# Altium PCB MiniPC.PcbDoc (part 13 of 23) (continued)
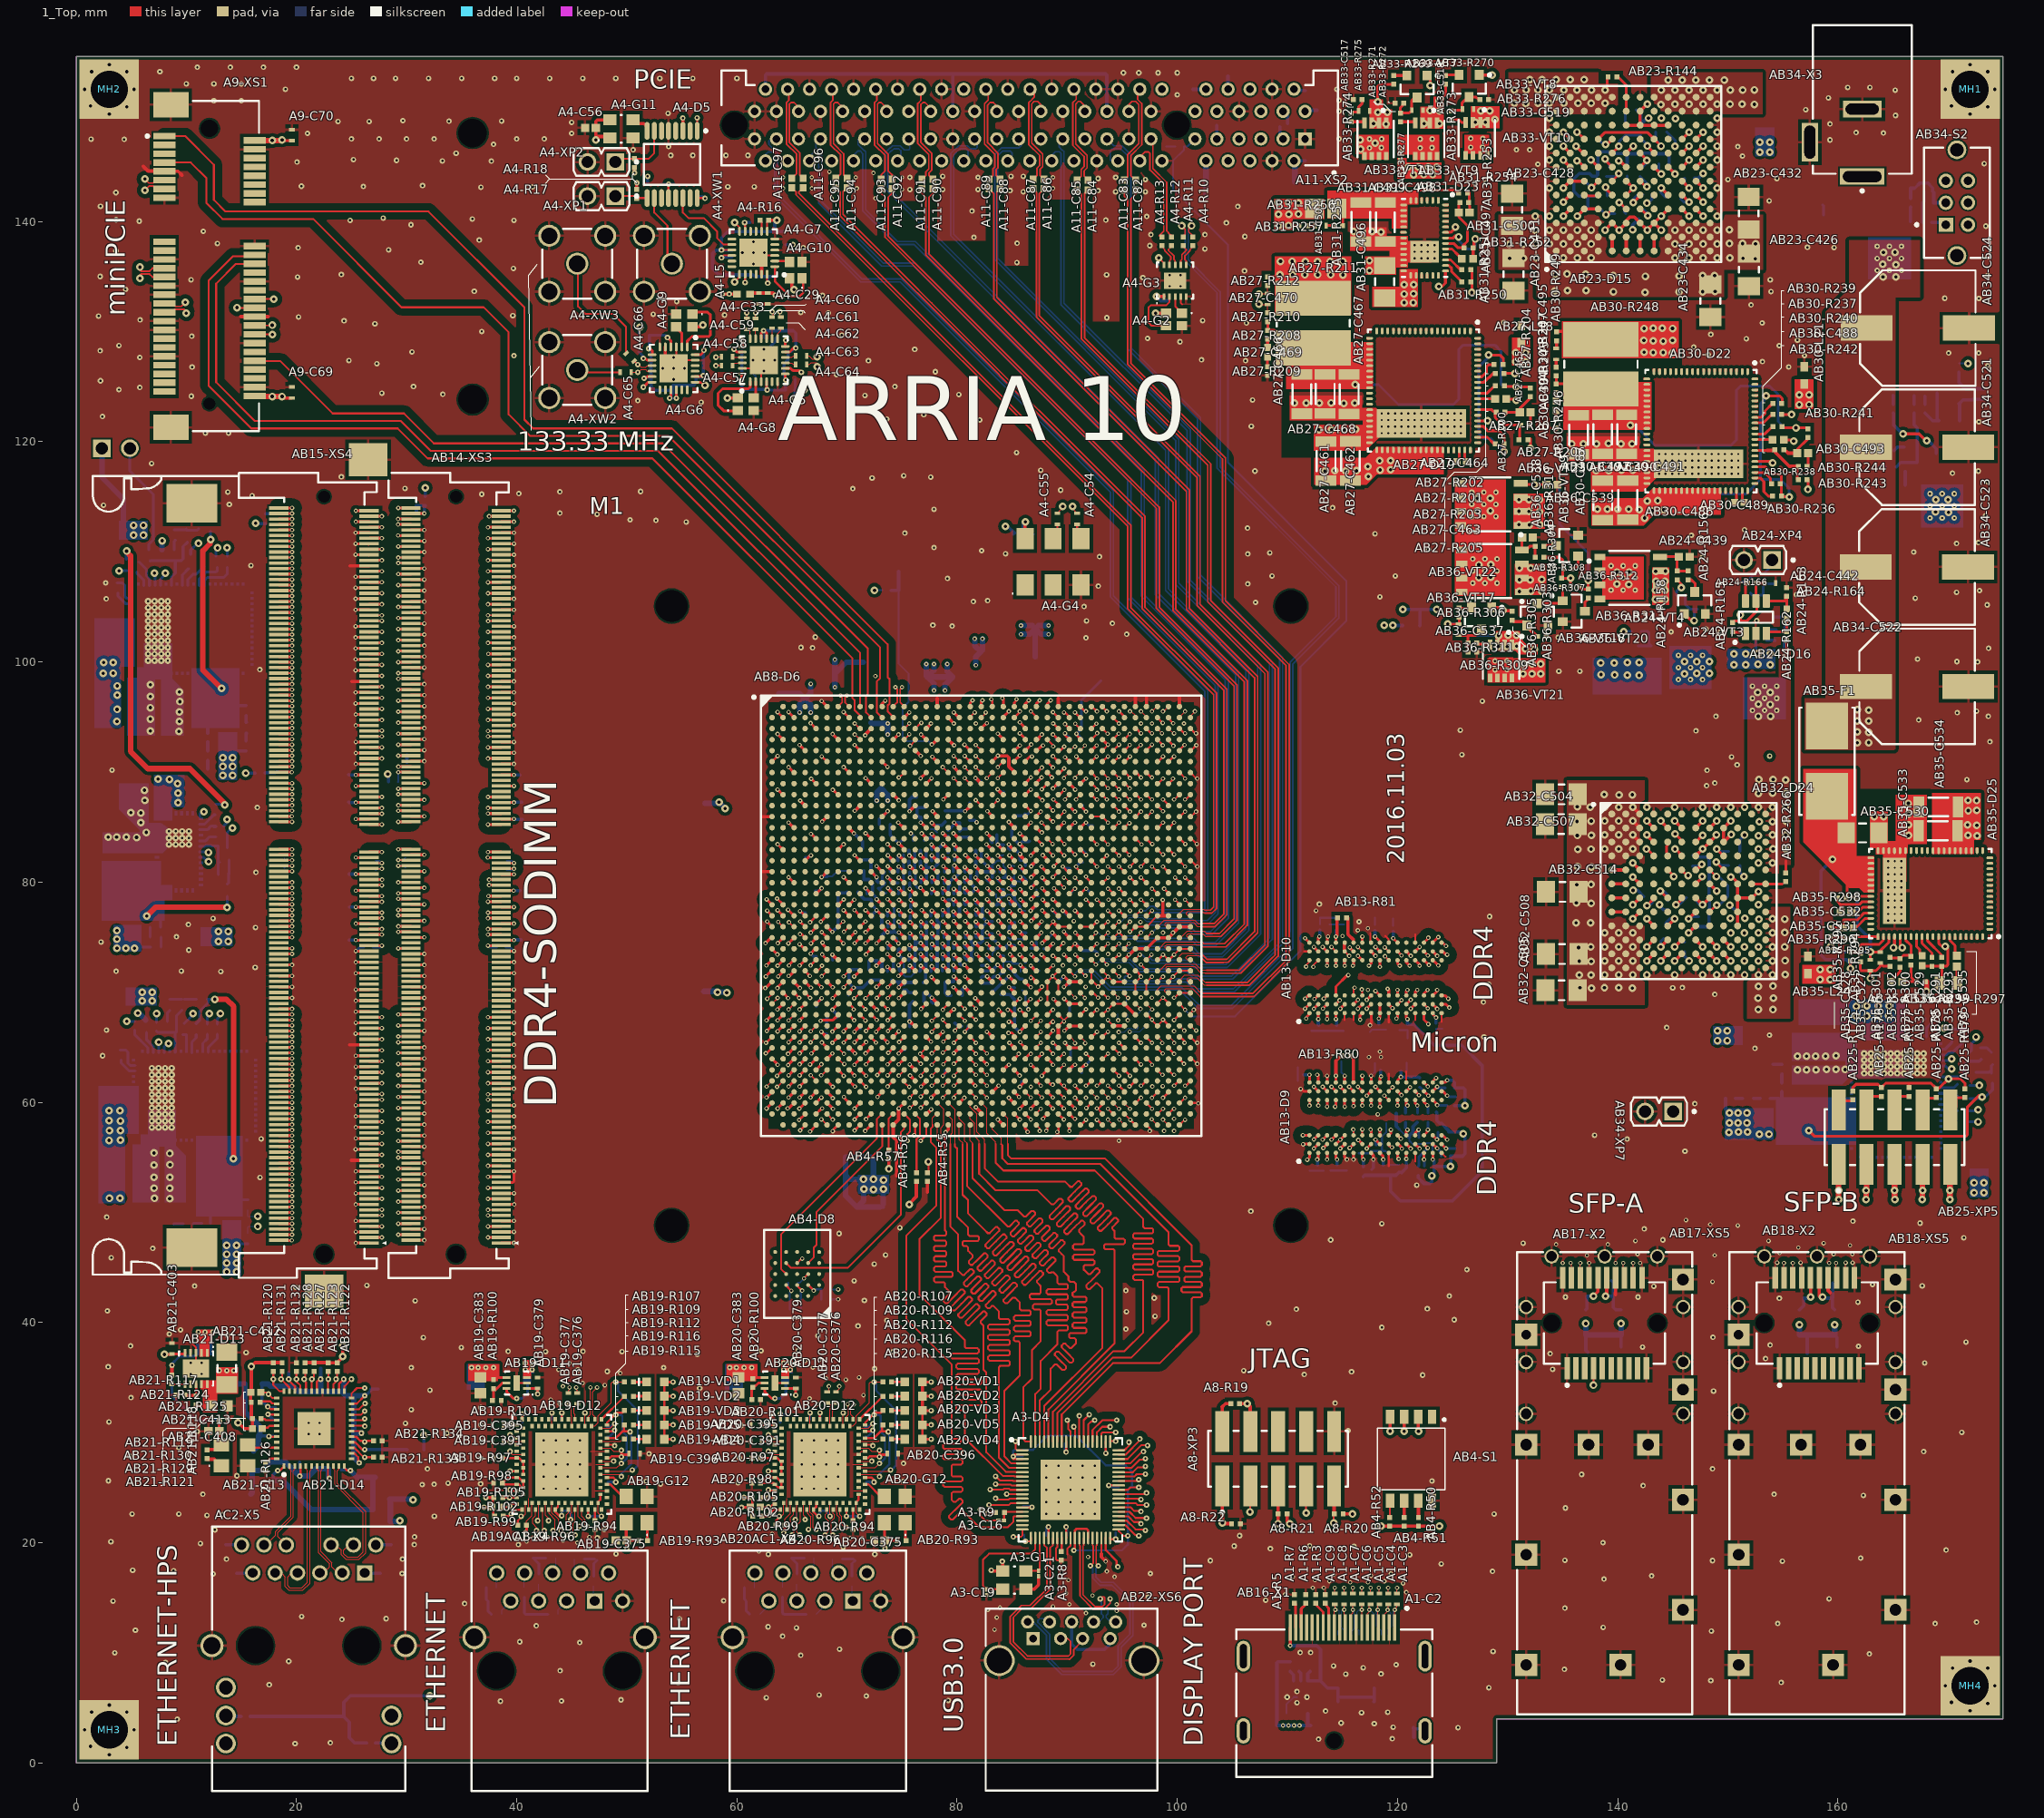
[diagram p0: 1_Top view]
## Nets (pads, with @x,y where several pads share a name; then routed paths per layer and width w, separated by ;. In a path a pad name is that pad's centre, name@x,y a point inside that pad or via, vN(x,y) a via of type N, cw(c..) or ccw(c..) an arc to the next point about the centre after c; other vN are vias at no path point) (continued)
  16_Bottom w0.15: AB7-R60.1@27.2,81.075 27.329,81.204 v1(27.751,81.204)
DDR4_BLK2.CTRL.CK1_N: AB7-R62.2 AB8-D6.AR2 AB15-XS4.140 | length 103.1
  1_Top w0.15: AB15-XS4.140@18.4,81.975 v1(19.602,81.975) ; v1(63.65,61.4) 63.655,61.4 AB8-D6.AR2@64.194,61.939
  10_int9_(sign) w0.13: v1(19.602,81.975) 19.765,81.975 19.9,81.84 20.86,81.84 22.05,80.65 22.05,79.8 22.425,79.425 22.885,79.425 23.06,79.6 23.06,82.449 23.476,82.865 24.06,82.865 24.5,82.425 24.5,80.375 24.875,80 26.7,80 27.361,79.339 28.314,79.339 28.585,79.61 30.229,79.61 30.999,78.84 31.749,78.84 33.045,77.545 34.974,77.545 35.525,76.994 35.525,75.3 35.95,74.875 36.086,74.875 36.504,75.294 36.504,77.404 36.94,77.84 38.449,77.84 39.174,77.115 40.626,77.115 41.276,77.765 41.899,77.765 42.258,77.407 42.258,76.983 41.439,76.164 41.439,75.65 42.39,74.699 42.39,73.94 41.875,73.425 41.875,72.925 42.1,72.7 42.511,72.7 42.926,73.115 43.574,73.115 43.875,72.814 43.875,72.05 43.425,71.6 43.425,71.589 43.264,71.428 43.264,71.234 43.487,71.011 43.681,71.011 44.739,72.068 45.132,72.068 45.495,71.705 45.495,71.312 44.438,70.254 44.438,70.06 44.661,69.837 44.855,69.837 45.913,70.894 46.306,70.894 46.669,70.531 46.669,70.138 45.612,69.08 45.612,68.886 45.835,68.663 46.029,68.663 47.086,69.721 47.479,69.721 47.843,69.357 47.843,68.964 46.786,67.907 46.786,67.713 47.009,67.489 47.203,67.489 48.26,68.547 48.653,68.547 49.017,68.183 49.017,67.79 47.959,66.733 47.959,66.539 48.182,66.316 48.377,66.316 49.434,67.373 49.827,67.373 50.191,67.009 50.191,66.616 49.133,65.559 49.133,65.365 49.356,65.142 49.55,65.142 50.608,66.199 51.001,66.199 51.364,65.836 51.364,65.443 50.307,64.385 50.307,64.191 50.53,63.968 50.724,63.968 52.085,65.328 52.477,65.328 52.841,64.965 52.841,64.572 51.481,63.211 51.481,63.017 51.704,62.794 51.898,62.794 52.576,63.472 53.203,63.472 53.925,62.75 54.45,62.75 54.575,62.875 54.575,63.136 53.778,63.932 53.778,64.674 54.219,65.115 55.349,65.115 55.84,64.624 55.84,63.2 56.175,62.865 62.574,62.865 63.315,62.124 63.315,61.675 63.59,61.4 v1(63.65,61.4)
  16_Bottom w0.15: AB7-R62.2@18.9,82.125 19.05,81.975 v1(19.602,81.975)
DDR4_BLK2.CTRL.CK1_P: AB7-R62.1 AB8-D6.AR1 AB15-XS4.138 | length 103.2
  1_Top w0.15: AB15-XS4.138@18.4,81.475 v1(19.602,81.475) ; v1(62.7,61.425) 62.7,61.445 AB8-D6.AR1@63.194,61.939
  10_int9_(sign) w0.13: v1(19.602,81.475) 19.727,81.6 20.761,81.6 21.81,80.551 21.81,79.701 22.326,79.185 22.984,79.185 23.3,79.501 23.3,82.35 23.575,82.625 23.961,82.625 24.26,82.326 24.26,80.276 24.776,79.76 26.601,79.76 27.262,79.099 28.413,79.099 28.684,79.37 30.13,79.37 30.9,78.6 31.65,78.6 32.945,77.305 34.875,77.305 35.285,76.895 35.285,75.201 35.851,74.635 36.185,74.635 36.744,75.194 36.744,77.305 37.039,77.6 38.35,77.6 39.075,76.875 40.725,76.875 41.375,77.525 41.8,77.525 42.018,77.307 42.018,77.082 41.199,76.264 41.199,75.551 42.15,74.6 42.15,74.039 41.635,73.524 41.635,72.826 42.001,72.46 42.61,72.46 43.025,72.875 43.475,72.875 43.635,72.715 43.635,72.149 43.185,71.699 43.185,71.688 43.024,71.527 43.024,71.134 43.388,70.771 43.781,70.771 44.838,71.828 45.032,71.828 45.255,71.605 45.255,71.411 44.198,70.354 44.198,69.961 44.562,69.597 44.955,69.597 46.012,70.654 46.206,70.654 46.429,70.431 46.429,70.237 45.372,69.18 45.372,68.787 45.735,68.423 46.128,68.423 47.186,69.481 47.38,69.481 47.603,69.258 47.603,69.063 46.546,68.006 46.546,67.613 46.909,67.249 47.302,67.249 48.36,68.307 48.554,68.307 48.777,68.084 48.777,67.89 47.719,66.832 47.719,66.439 48.083,66.076 48.476,66.076 49.533,67.133 49.727,67.133 49.951,66.91 49.951,66.716 48.893,65.658 48.893,65.265 49.257,64.902 49.65,64.902 50.707,65.959 50.901,65.959 51.124,65.736 51.124,65.542 50.067,64.485 50.067,64.092 50.431,63.728 50.824,63.728 52.184,65.088 52.378,65.088 52.601,64.865 52.601,64.671 51.241,63.311 51.241,62.918 51.604,62.554 51.997,62.554 52.675,63.232 53.104,63.232 53.826,62.51 54.549,62.51 54.815,62.776 54.815,63.235 54.018,64.032 54.018,64.575 54.318,64.875 55.25,64.875 55.6,64.525 55.6,63.101 56.076,62.625 62.475,62.625 63.075,62.025 63.075,61.25 62.95,61.125 62.7,61.375 v1(62.7,61.425)
  16_Bottom w0.15: AB7-R62.1@18.9,81.275 19.1,81.475 v1(19.602,81.475)
DDR4_BLK2.CTRL.CKE: AB8-D6.AW9 AB15-R88.2 AB15-XS4.109 | length 103.2
  1_Top w0.25: AB15-XS4.109@26.6,74.225 v1(27.75,74.225) ; v1(70.694,57.439) AB8-D6.AW9@71.194,57.939
  10_int9_(sign) w0.15: v1(27.75,74.225) 28.325,74.225 28.65,74.55 32.425,74.55 34.131,72.844 34.131,72.632 32.846,71.347 32.846,71.135 33.058,70.923 33.271,70.923 34.555,72.208 34.767,72.208 34.98,71.995 34.98,71.783 33.695,70.498 33.695,70.286 33.907,70.074 34.119,70.074 35.404,71.359 35.616,71.359 35.828,71.147 35.828,70.935 33.956,69.062 33.956,68.85 34.168,68.638 34.38,68.638 36.252,70.51 36.465,70.51 36.677,70.298 36.677,70.086 34.881,68.291 34.881,68.079 35.093,67.866 35.305,67.866 37.101,69.662 37.313,69.662 38.225,68.75 39.9,68.75 41.3,67.35 41.3,58.5 41.594,58.206 41.806,58.206 41.826,58.227 42.038,58.227 42.25,58.015 42.25,57.802 42.124,57.676 41.523,57.075 41.523,56.863 41.735,56.651 41.947,56.651 42.548,57.252 42.674,57.378 42.887,57.378 43.099,57.166 43.099,56.954 42.972,56.828 42.371,56.227 42.371,56.014 42.584,55.802 42.796,55.802 43.397,56.403 43.523,56.53 43.735,56.53 43.947,56.317 43.947,56.105 43.821,55.979 43.22,55.378 43.22,55.166 43.432,54.954 43.644,54.954 44.139,55.449 44.351,55.449 44.98,54.82 68.074,54.82 70.125,56.87 70.125,57.45 70.739,58.064 70.849,58.064 71.3,58.515 71.3,60.3 72.075,61.075 73.125,61.075 73.8,60.4 73.8,58.95 74.225,58.525 74.45,58.525 74.625,58.35 74.625,55.925 74.1,55.4 73.45,55.4 72.85,56 72.85,57.7 72.65,57.9 71.155,57.9 v1(70.694,57.439)
  16_Bottom w0.25: AB15-R88.2@26.95,74.1 27.625,74.1 v1(27.75,74.225)
DDR4_BLK2.CTRL.CS: AB8-D6.AM10 AB15-XS4.149 | length 92.2
  1_Top w0.25: AB15-XS4.149@26.6,86.225 26.625,86.25 26.671,86.204 v1(27.751,86.204) ; v1(71.694,64.439) AB8-D6.AM10@72.194,64.939
  10_int9_(sign) w0.15: v1(27.751,86.204) 28.396,86.204 28.625,85.975 30.825,85.975 31.35,85.45 31.975,85.45 32.25,85.175 32.25,84.45 32.45,84.25 32.85,84.25 33.05,84.45 33.05,85.2 33.3,85.45 33.8,85.45 33.95,85.3 33.95,84.9 34.125,84.725 34.475,84.725 34.725,84.975 34.725,85.325 34.85,85.45 36.25,85.45 37.525,84.175 41.175,84.175 42.375,85.375 42.9,85.375 43.05,85.525 43.05,85.975 43.2,86.125 43.5,86.125 43.65,85.975 43.65,84.775 43.8,84.625 44.1,84.625 44.25,84.775 44.25,85.975 44.4,86.125 44.7,86.125 44.85,85.975 44.85,84.775 45,84.625 45.3,84.625 45.45,84.775 45.45,85.975 45.6,86.125 45.9,86.125 46.05,85.975 46.05,84.775 46.2,84.625 46.5,84.625 46.65,84.775 46.65,85.975 46.8,86.125 47.1,86.125 47.25,85.975 47.25,84.775 47.4,84.625 47.7,84.625 47.85,84.775 47.85,85.975 48,86.125 48.3,86.125 48.45,85.975 48.45,84.775 48.6,84.625 48.9,84.625 49.05,84.775 49.05,85.975 49.2,86.125 49.5,86.125 49.65,85.975 49.65,84.775 49.8,84.625 50.1,84.625 50.25,84.775 50.25,85.975 50.4,86.125 50.7,86.125 50.85,85.975 50.85,84.775 51,84.625 51.3,84.625 51.45,84.775 51.45,85.975 51.6,86.125 51.9,86.125 52.05,85.975 52.05,84.775 52.2,84.625 52.5,84.625 52.65,84.775 52.65,85.975 52.8,86.125 53.1,86.125 53.25,85.975 53.25,84.775 53.4,84.625 53.7,84.625 53.85,84.775 53.85,85.975 54,86.125 54.3,86.125 54.45,85.975 54.45,85.525 54.6,85.375 55.525,85.375 55.979,84.921 56.045,84.921 56.257,84.921 56.469,84.709 56.469,84.496 56.436,84.464 56.012,84.039 56.012,83.827 56.224,83.615 56.436,83.615 56.861,84.039 56.893,84.072 57.106,84.072 57.318,83.86 57.318,83.648 57.285,83.615 56.861,83.191 56.861,82.979 57.073,82.767 57.285,82.767 57.603,83.085 57.815,83.085 58.56,82.34 61.265,82.34 67.25,76.355 67.25,76.245 67.47,76.025 67.655,76.025 68.075,75.605 68.075,75.175 69.865,73.385 70.04,73.385 71.319,72.106 71.319,71.506 71.55,71.275 71.55,70.931 71.319,70.7 71.319,70.381 71.55,70.15 71.55,69.881 71.319,69.65 71.319,69.269 71.3,69.25 71.3,68.275 71.475,68.1 71.475,67.8 71.3,67.625 71.3,67.25 71.478,67.072 71.478,66.753 71.35,66.626 ; 71.35,66.625 71.3,66.575 71.3,66.225 71.375,66.225 71.5,66.1 71.5,65.798 71.302,65.6 71.302,65.367 71.694,64.976 v1(71.694,64.439)
DDR4_BLK2.CTRL.ODT: AB8-D6.AR12 AB15-XS4.155 | length 90.5
  1_Top w0.25: AB15-XS4.155@26.6,87.725 v1(27.75,87.725) ; v1(73.694,61.439) AB8-D6.AR12@74.194,61.939
  10_int9_(sign) w0.15: v1(27.75,87.725) 28.575,87.725 28.825,87.475 30.7,87.475 31.125,87.05 34.5,87.05 34.725,87.275 34.975,87.275 35.2,87.05 36.45,87.05 36.55,87.15 38.7,87.15 39,86.85 39.975,86.85 41.06,87.935 41.06,89.31 41.77,90.02 41.77,92.855 42.34,93.425 42.725,93.425 43.15,93 43.15,92.754 43.3,92.604 43.6,92.604 43.75,92.754 43.75,93.831 43.9,93.981 44.2,93.981 44.35,93.831 44.35,92.754 44.5,92.604 44.8,92.604 44.95,92.754 44.95,93.831 45.1,93.981 45.4,93.981 45.55,93.831 45.55,92.754 45.7,92.604 46,92.604 46.15,92.754 46.15,93.831 46.3,93.981 46.6,93.981 46.75,93.831 46.75,92.754 46.9,92.604 47.2,92.604 47.35,92.754 47.35,93.831 47.5,93.981 47.8,93.981 47.95,93.831 47.95,92.754 48.1,92.604 48.4,92.604 48.55,92.754 48.55,93.831 48.7,93.981 49,93.981 49.15,93.831 49.15,92.754 49.3,92.604 49.6,92.604 49.75,92.754 49.75,93.831 49.9,93.981 50.2,93.981 50.35,93.831 50.35,92.754 50.5,92.604 50.8,92.604 50.95,92.754 50.95,93 51.1,93.15 53.501,93.15 59.612,87.039 59.722,87.039 60.722,86.039 60.761,86.039 62.76,84.04 63.624,84.04 64.069,83.595 64.069,83.534 67.789,79.814 67.849,79.814 68.069,79.595 68.069,79.506 69.65,77.925 69.739,77.925 70.069,77.595 70.069,77.505 71.524,76.05 71.625,76.05 73.304,74.371 73.304,74.298 73.325,74.277 73.325,73.63 73.304,73.609 73.304,73.298 73.575,73.027 73.575,72.73 73.304,72.459 73.304,72.148 73.325,72.127 73.325,72.025 73.575,71.775 73.575,71.375 73.325,71.125 73.325,70.601 73.319,70.595 73.319,70.284 73.329,70.274 73.329,69.298 73.575,69.052 73.575,68.855 73.329,68.609 73.329,68.296 73.55,68.075 73.55,67.83 73.325,67.605 73.325,66.225 73.5,66.05 73.5,65.797 73.308,65.605 73.308,62.292 73.694,61.906 v1(73.694,61.439)
DDR4_INT.ADDR.A0: AB8-D6.G26 AB13-D9.P3 AB13-D10.P3 AB13-R65.2 | length 93.6
  1_Top w0.25: AB8-D6.G26@88.194,89.939 v1@88.633,89.5 ; v1(88.6,89.5) v1@88.633,89.5 ; AB13-D9.P3@122.4,57 122.68,57.28 v1@122.68,57.48 ; AB13-D10.P3@122.4,69.7 122.4,69.878 v1(122.722,70.2)
  10_int9_(sign) w0.15: v1(88.6,89.5) 88.7,89.5 89.125,89.925 122.175,89.925 124.59,87.51 124.59,87 124.59,86.8 124.59,86.4 124.509,86.319 124.509,86.081 124.59,86 124.59,85.7 124.49,85.6 123.854,85.6 123.754,85.5 123.754,85.3 123.854,85.2 124.49,85.2 124.59,85.1 124.59,84.9 124.49,84.8 123.854,84.8 123.754,84.7 123.754,84.5 123.854,84.4 124.49,84.4 124.59,84.3 124.59,84.1 124.49,84 123.854,84 123.754,83.9 123.754,83.7 123.854,83.6 124.49,83.6 124.59,83.5 124.59,83.3 124.49,83.2 123.854,83.2 123.754,83.1 123.754,82.9 123.854,82.8 124.49,82.8 124.59,82.7 124.59,82.5 124.49,82.4 123.854,82.4 123.754,82.3 123.754,82.1 123.854,82 124.49,82 124.59,81.9 124.59,81.7 124.49,81.6 123.854,81.6 123.754,81.5 123.754,81.3 123.854,81.2 124.49,81.2 124.59,81.1 124.59,80.9 124.49,80.8 122.985,80.8 122.885,80.7 122.885,80.5 122.985,80.4 124.49,80.4 124.59,80.3 124.59,80.1 124.49,80 122.985,80 122.885,79.9 122.885,79.7 122.985,79.6 124.59,79.6 124.815,79.6 124.915,79.5 124.915,79.3 124.815,79.2 124.69,79.2 124.59,79.1 124.59,78.7 124.59,78.6 124.69,78.5 124.818,78.5 124.918,78.4 124.918,78.2 124.818,78.1 124.59,78.1 122.982,78.1 122.882,78 122.882,77.8 122.982,77.7 124.59,77.7 124.818,77.7 124.918,77.6 124.918,77.4 124.818,77.3 124.69,77.3 124.59,77.2 124.59,76.75 124.59,75.09 123.175,73.675 123.175,72.748 123.275,72.648 123.275,71.319 122.705,70.749 v1@122.705,70.295 ; v1(122.722,70.2) 122.705,70.217 v1@122.705,70.295 ; v1(122.756,57.503) 122.697,57.503 122.225,57.975 122.225,60.026 122.364,60.165 122.364,60.815 122.275,60.904 122.275,62.875 122.3,62.9 122.7,63.3 122.7,63.56 122.7,63.625 122.7,63.963 122.588,64.075 122.335,64.075 122.223,64.188 122.223,64.413 122.335,64.525 122.7,64.525 122.878,64.525 122.99,64.638 122.99,64.863 122.878,64.975 122.7,64.975 122.222,64.975 122.11,65.088 122.11,65.313 122.222,65.425 122.588,65.425 122.7,65.538 122.7,65.875 122.7,66.1 122.7,66.4 122.275,66.825 122.275,67.524 122.275,68.969 122.7,69.394 122.7,70.3 v1@122.705,70.295
  16_Bottom w0.25: v1(122.756,57.503) 122.775,57.522 AB13-R65.2@122.775,58.2
DDR4_INT.ADDR.A1: AB8-D6.F23 AB13-D9.P7 AB13-D10.P7 AB13-R66.2 | length 89.5
  1_Top w0.25: AB8-D6.F23@85.194,90.939 85.194,90.994 v1(85.7,91.5) ; AB13-D9.P7@122.4,60.2 122.4,60.023 v1(122.7,59.723) ; AB13-D10.P7@122.4,72.9 122.422,72.9 v1(122.85,72.472)
  7_int6_(sign) w0.15: v1(85.7,91.5) 86.175,91.975 87.225,91.975 87.4,91.8 88.855,91.8 88.88,91.775 91.4,91.775 92.15,91.025 100.575,91.025 100.758,91.208 110.6,91.208 110.7,91.208 110.8,91.308 110.8,91.733 110.9,91.833 111.1,91.833 111.2,91.733 111.2,91.308 111.3,91.208 111.5,91.208 111.6,91.308 111.6,91.733 111.7,91.833 111.9,91.833 112,91.733 112,91.308 112.1,91.208 112.3,91.208 112.4,91.308 112.4,91.733 112.5,91.833 112.7,91.833 112.8,91.733 112.8,91.308 112.9,91.208 113.1,91.208 113.2,91.308 113.2,91.733 113.3,91.833 113.5,91.833 113.6,91.733 113.6,91.308 113.7,91.208 114.825,91.208 120.292,91.208 120.362,91.137 122.2,89.3 122.2,89.1 122.2,88.8 122.1,88.7 121.91,88.7 121.81,88.6 121.81,88.4 121.91,88.3 122.1,88.3 122.2,88.2 122.2,87.9 122.2,87.5 122.2,87.3 122.2,87.1 122.2,86.8 122.1,86.7 121.91,86.7 121.81,86.6 121.81,86.4 121.91,86.3 122.1,86.3 122.2,86.2 122.2,86 122.1,85.9 121.91,85.9 121.81,85.8 121.81,85.6 121.91,85.5 122.1,85.5 122.2,85.4 122.2,85.2 122.1,85.1 121.91,85.1 121.81,85 121.81,84.8 121.91,84.7 122.1,84.7 122.2,84.6 122.2,84.4 122.1,84.3 121.91,84.3 121.81,84.2 121.81,84 121.91,83.9 122.1,83.9 122.2,83.8 122.2,83.6 122.1,83.5 121.91,83.5 121.81,83.4 121.81,83.2 121.91,83.1 122.1,83.1 122.2,83 122.2,82.8 122.1,82.7 121.91,82.7 121.81,82.6 121.81,82.4 121.91,82.3 122.1,82.3 122.2,82.2 122.2,82 122.1,81.9 121.91,81.9 121.81,81.8 121.81,81.6 121.91,81.5 122.1,81.5 122.2,81.4 122.2,81.2 122.1,81.1 121.91,81.1 121.81,81 121.81,80.8 121.91,80.7 122.1,80.7 122.2,80.6 122.2,80.4 122.1,80.3 121.91,80.3 121.81,80.2 121.81,80 121.91,79.9 122.1,79.9 122.2,79.8 122.2,79.6 122.1,79.5 121.91,79.5 121.81,79.4 121.81,79.2 121.91,79.1 122.1,79.1 122.2,79 122.2,78.8 122.1,78.7 121.91,78.7 121.81,78.6 121.81,78.4 121.91,78.3 122.2,78.3 122.289,78.3 122.389,78.2 122.389,78 122.289,77.9 122.2,77.9 121.91,77.9 121.81,77.8 121.81,77.6 121.91,77.5 122.2,77.5 122.615,77.5 122.715,77.4 122.715,77.2 122.615,77.1 122.2,77.1 121.91,77.1 121.81,77 121.81,76.8 121.91,76.7 122.2,76.7 122.615,76.7 122.715,76.6 122.715,76.4 122.615,76.3 122.2,76.3 121.91,76.3 121.81,76.2 121.81,76 121.91,75.9 122.1,75.9 122.2,75.8 122.2,74.949 122.425,74.724 122.425,73.604 122.2,73.379 122.2,73.122 v1(122.85,72.472) 122.78,72.403 122.78,70.981 122.275,70.476 122.275,70.261 122.275,68.275 121.865,67.865 121.865,66.135 122.275,65.725 122.275,65.2 122.275,64.975 122.275,64.525 122.275,64.188 122.387,64.075 122.453,64.075 122.565,63.963 122.565,63.738 122.453,63.625 122.275,63.625 121.969,63.625 121.856,63.513 121.856,63.288 121.969,63.175 122.275,63.175 122.453,63.175 122.565,63.063 122.565,62.838 122.453,62.725 122.275,62.725 121.948,62.725 121.836,62.613 121.836,62.388 121.948,62.275 122.163,62.275 122.275,62.163 122.275,62.1 122.275,61.025 122.375,60.925 122.375,60.048 122.225,59.898 122.225,59.415 122.305,59.335 122.62,59.335 122.755,59.47 122.755,59.668 v1(122.7,59.723)
  16_Bottom w0.25: v1(122.7,59.723) 122.775,59.648 AB13-R66.2@122.775,59
DDR4_INT.ADDR.A2: AB8-D6.D25 AB13-D9.R3 AB13-D10.R3 AB13-R67.2 | length 95.8
  1_Top w0.25: AB8-D6.D25@87.194,92.939 87.296,92.837 87.4,92.942 87.4,93.1 v1(87.7,93.4) ; AB13-D9.R3@123.2,57 123.2,56.978 123.556,56.622 v1(123.578,56.622) ; AB13-D10.R3@123.2,69.7 123.6,70.1 v1(123.6,70.2)
  7_int6_(sign) w0.15: v1(87.7,93.4) 88,93.4 88.45,92.95 89.1,92.95 89.225,93.075 92.225,93.075 92.3,93 119.779,93 119.796,93.018 121.007,93.018 122.604,91.42 123.38,91.42 124.2,90.6 124.2,89.036 124.2,88.836 124.2,88.436 124.2,88.136 124.3,88.036 124.99,88.036 125.09,87.936 125.09,87.736 124.99,87.636 124.3,87.636 124.2,87.536 124.2,87.336 124.3,87.236 124.99,87.236 125.09,87.136 125.09,86.936 124.99,86.836 124.2,86.836 123.948,86.836 123.848,86.736 123.848,86.536 123.948,86.436 124.2,86.436 124.99,86.436 125.09,86.336 125.09,86.136 124.99,86.036 124.2,86.036 123.835,86.036 123.735,85.936 123.735,85.736 123.835,85.636 124.2,85.636 124.99,85.636 125.09,85.536 125.09,85.336 124.99,85.236 124.2,85.236 123.835,85.236 123.735,85.136 123.735,84.936 123.835,84.836 124.2,84.836 124.99,84.836 125.09,84.736 125.09,84.536 124.99,84.436 124.2,84.436 123.835,84.436 123.735,84.336 123.735,84.136 123.835,84.036 124.2,84.036 124.99,84.036 125.09,83.936 125.09,83.736 124.99,83.636 124.2,83.636 123.835,83.636 123.735,83.536 123.735,83.336 123.835,83.236 124.2,83.236 124.99,83.236 125.09,83.136 125.09,82.936 124.99,82.836 124.3,82.836 124.2,82.736 124.2,82.6 124.2,79.65 124.2,79.55 124.3,79.45 124.93,79.45 125.03,79.35 125.03,79.15 124.93,79.05 124.3,79.05 124.2,78.95 124.2,78.75 124.3,78.65 124.93,78.65 125.03,78.55 125.03,78.35 124.93,78.25 124.3,78.25 124.2,78.15 124.2,77.875 124.2,76 125,75.2 125,71.8 123.6,70.4 v1(123.6,70.2)
  10_int9_(sign) w0.15: v1(123.578,56.622) 123.22,56.264 122.915,56.264 122.906,56.273 122.827,56.273 122.7,56.4 122.7,56.7 123.181,57.181 123.181,57.679 123.125,57.735 123.125,59.4 123.125,60.125 123.225,60.225 123.225,60.776 123.164,60.837 123.164,61.615 123.075,61.704 123.075,62.822 123.5,63.247 123.5,66.6 124.1,67.2 124.1,69.7 v1(123.6,70.2)
  16_Bottom w0.25: v1(123.578,56.622) 123.675,56.719 AB13-R67.2@123.675,57.3
DDR4_INT.ADDR.A3: AB8-D6.F24 AB13-D9.N7 AB13-D10.N7 AB13-R68.2 | length 89.1
  1_Top w0.25: AB8-D6.F24@86.194,90.939 86.194,90.994 86.6,91.4 v1(86.8,91.4) ; AB13-D9.N7@121.6,60.2 121.6,59.922 121.8,59.722 v1(121.8,59.7) ; AB13-D10.N7@121.6,72.9 122,72.5 v1(122,72.4)
  7_int6_(sign) w0.15: v1(86.8,91.4) 87.425,90.775 90.575,90.775 90.85,90.5 101.625,90.5 101.75,90.625 119.275,90.625 121.3,88.6 121.3,88.4 121.3,88.1 121.2,88 119.821,88 119.721,87.9 119.721,87.7 119.821,87.6 121.3,87.6 121.59,87.6 121.69,87.5 121.69,87.3 121.59,87.2 121.3,87.2 120.21,87.2 120.11,87.1 120.11,86.9 120.21,86.8 121.2,86.8 121.3,86.7 121.3,86.5 121.2,86.4 120.316,86.4 120.216,86.3 120.216,86.1 120.316,86 121.2,86 121.3,85.9 121.3,85.7 121.2,85.6 120.316,85.6 120.216,85.5 120.216,85.3 120.316,85.2 121.2,85.2 121.3,85.1 121.3,84.9 121.2,84.8 120.316,84.8 120.216,84.7 120.216,84.5 120.316,84.4 121.2,84.4 121.3,84.3 121.3,84.1 121.2,84 120.316,84 120.216,83.9 120.216,83.7 120.316,83.6 121.2,83.6 121.3,83.5 121.3,83.2 121.3,83 121.3,82.35 121.3,82.15 121.3,81.85 121.2,81.75 120.748,81.75 120.648,81.65 120.648,81.45 120.748,81.35 121.2,81.35 121.3,81.25 121.3,81.05 121.2,80.95 120.604,80.95 120.504,80.85 120.504,80.65 120.604,80.55 121.2,80.55 121.3,80.45 121.3,80.25 121.2,80.15 120.604,80.15 120.504,80.05 120.504,79.85 120.604,79.75 121.2,79.75 121.3,79.65 121.3,79.2 121.3,73.801 121.625,73.476 121.625,72.9 122,72.525 v1(122,72.4) 122,71 121.375,70.376 121.375,69.825 121.625,69.575 121.625,68.676 121.625,68.324 121.4,68.099 121.4,67.449 121.3,67.349 121.3,67.124 121.3,66.786 121.188,66.674 121.097,66.674 120.985,66.561 120.985,66.336 121.097,66.224 121.188,66.224 121.3,66.111 121.3,65.886 121.188,65.774 121.097,65.774 120.985,65.661 120.985,65.436 121.097,65.324 121.3,65.324 121.653,65.324 121.765,65.211 121.765,64.986 121.653,64.874 121.3,64.874 121.097,64.874 120.985,64.761 120.985,64.536 121.097,64.424 121.3,64.424 121.597,64.424 121.709,64.311 121.709,64.086 121.597,63.974 121.3,63.974 121.097,63.974 120.985,63.861 120.985,63.636 121.097,63.524 121.188,63.524 121.3,63.411 121.3,63.4 121.3,62.4 121.6,62.1 121.6,61.079 121.425,60.904 121.425,60.175 121.8,59.8 v1(121.8,59.7)
  16_Bottom w0.25: AB13-R68.2@121.8,59.025 v1@121.8,59.7
DDR4_INT.ADDR.A4: AB8-D6.H24 AB13-D9.N3 AB13-D10.N3 AB13-R69.2 | length 95.6
  1_Top w0.25: AB8-D6.H24@86.194,88.939 86.194,88.994 v1(86.7,89.5) ; AB13-D9.N3@121.6,57 121.6,57.2 121.903,57.503 v1(121.906,57.503) ; AB13-D10.N3@121.6,69.7 121.6,70 v1(121.8,70.2)
  10_int9_(sign) w0.15: v1(86.7,89.5) 87.21,88.99 103.036,88.99 103.05,89.004 120.896,89.004 122.3,87.6 122.3,87.4 122.3,87.1 122.2,87 121.714,87 121.614,86.9 121.614,86.7 121.714,86.6 122.3,86.6 123.899,86.6 123.999,86.5 123.999,86.3 123.899,86.2 122.3,86.2 121.991,86.2 121.891,86.1 121.891,85.9 121.991,85.8 122.3,85.8 123.069,85.8 123.169,85.7 123.169,85.5 123.069,85.4 122.3,85.4 121.991,85.4 121.891,85.3 121.891,85.1 121.991,85 122.3,85 123.069,85 123.169,84.9 123.169,84.7 123.069,84.6 122.3,84.6 121.991,84.6 121.891,84.5 121.891,84.3 121.991,84.2 122.3,84.2 123.069,84.2 123.169,84.1 123.169,83.9 123.069,83.8 122.3,83.8 121.991,83.8 121.891,83.7 121.891,83.5 121.991,83.4 122.3,83.4 123.069,83.4 123.169,83.3 123.169,83.1 123.069,83 122.3,83 121.991,83 121.891,82.9 121.891,82.7 121.991,82.6 122.3,82.6 123.069,82.6 123.169,82.5 123.169,82.3 123.069,82.2 122.3,82.2 121.991,82.2 121.891,82.1 121.891,81.9 121.991,81.8 122.3,81.8 123.069,81.8 123.169,81.7 123.169,81.5 123.069,81.4 122.4,81.4 122.3,81.3 122.3,81.1 122.3,79.175 122.3,79.075 122.4,78.975 122.588,78.975 122.688,78.875 122.688,78.675 122.588,78.575 122.4,78.575 122.3,78.475 122.3,78.175 122.3,77.798 122.277,77.775 122.177,77.675 122.177,77.475 122.277,77.375 122.3,77.375 122.378,77.375 122.478,77.275 122.478,77.075 122.378,76.975 122.3,76.975 122.118,76.975 122.018,76.875 122.018,76.675 122.118,76.575 122.3,76.575 123.772,76.575 123.872,76.475 123.872,76.275 123.772,76.175 122.4,76.175 122.3,76.075 122.3,75.35 122.3,74.701 122.425,74.576 122.425,73.924 122.3,73.799 122.3,72.701 122.425,72.576 122.425,72.224 122.3,72.099 122.3,70.938 122.285,70.923 122.285,70.885 121.85,70.45 121.85,70.25 v1(121.8,70.2) 121.9,70.1 121.9,68.4 121.6,68.1 121.6,67 121.6,66.881 121.681,66.8 121.781,66.7 121.781,66.5 121.681,66.4 121.6,66.4 121.085,66.4 120.985,66.3 120.985,66.1 121.085,66 121.6,66 121.676,66 121.776,65.9 121.776,65.7 121.676,65.6 121.6,65.524 121.6,65.3 121.6,64.3 121.6,64.128 121.653,64.075 121.765,63.963 121.765,63.738 121.653,63.625 121.6,63.625 121.097,63.625 120.985,63.513 120.985,63.288 121.097,63.175 121.488,63.175 121.6,63.063 121.6,63 121.6,61.079 121.325,60.804 121.325,59.776 121.325,57.975 121.8,57.5 121.803,57.503 v1(121.906,57.503)
  16_Bottom w0.25: v1(121.906,57.503) 121.925,57.484 AB13-R69.2@121.925,56.8
DDR4_INT.ADDR.A5: AB8-D6.B22 AB13-D9.P8 AB13-D10.P8 AB13-R70.2 | length 95.2
  1_Top w0.25: AB8-D6.B22@84.194,94.939 84.194,94.994 v1(84.7,95.5) ; AB13-D9.P8@122.4,61 v1(122.8,60.6) ; AB13-D10.P8@122.4,73.7 122.75,73.35 v1(122.75,73.328)
  5_int4_(sign) w0.15: v1(84.7,95.5) 84.7,98.1 85.39,98.79 116.235,98.79 116.9,98.125 116.971,98.054 117.112,98.054 117.518,98.46 117.66,98.46 117.801,98.319 117.801,98.178 117.324,97.701 116.885,97.261 116.885,97.12 117.026,96.978 117.168,96.978 117.577,97.388 117.637,97.388 119,96.025 119,94 119,93.9 119.1,93.8 119.716,93.8 119.816,93.7 119.816,93.5 119.716,93.4 119,93.4 118.9,93.3 118.9,93.1 119,93 120.516,93 120.616,92.9 120.616,92.7 120.516,92.6 119,92.6 118.9,92.5 118.9,92.3 119,92.2 121.316,92.2 121.416,92.1 121.416,91.9 121.316,91.8 119.1,91.8 119,91.7 119,91.3 119,89.9 121.9,87 121.9,78.9 122.1,78.7 122.1,74.9 122.275,74.725 122.525,74.475 122.525,73.553 v1(122.75,73.328) 123.275,72.803 123.275,72.296 123.175,72.196 123.175,67.976 123.075,67.876 123.075,67.524 123.225,67.374 123.225,66.924 123.075,66.774 123.075,65.7 123.075,64.733 123.062,64.72 123.075,64.72 122.975,64.62 122.975,64.42 123.075,64.32 123.547,64.32 123.647,64.22 123.647,64.02 123.547,63.92 123.075,63.92 122.46,63.92 122.36,63.82 122.36,63.62 122.46,63.52 123.075,63.52 123.547,63.52 123.647,63.42 123.647,63.22 123.547,63.12 123.075,63.12 122.728,63.12 122.628,63.02 122.628,62.82 122.728,62.72 122.975,62.72 123.075,62.62 123.075,62.52 123.075,62.024 123.175,61.924 123.175,60.975 v1(122.8,60.6)
  16_Bottom w0.25: AB13-R70.2@122,61.375 122.025,61.375 v1(122.8,60.6)
DDR4_INT.ADDR.A6: AB8-D6.G25 AB13-D9.P2 AB13-D10.P2 AB13-R71.2 | length 94.4
  1_Top w0.25: AB8-D6.G25@87.194,89.939 87.239,89.939 v1(87.7,90.4) ; AB13-D9.P2@122.4,56.2 122.739,55.861 122.73,55.852 v1(122.73,55.848) ; AB13-D10.P2@122.4,68.9 122.772,68.528 v1(122.75,68.528)
  10_int9_(sign) w0.15: v1(87.7,90.4) 88.258,90.958 122.942,90.958 125.5,88.4 125.5,87.5 125.5,87.4 125.6,87.3 126.702,87.3 126.802,87.2 126.802,87 126.702,86.9 125.5,86.9 125.278,86.9 125.178,86.8 125.178,86.6 125.278,86.5 125.5,86.5 126.702,86.5 126.802,86.4 126.802,86.2 126.702,86.1 125.5,86.1 125.278,86.1 125.178,86 125.178,85.8 125.278,85.7 125.5,85.7 126.702,85.7 126.802,85.6 126.802,85.4 126.702,85.3 125.5,85.3 125.278,85.3 125.178,85.2 125.178,85 125.278,84.9 125.5,84.9 126.702,84.9 126.802,84.8 126.802,84.6 126.702,84.5 125.5,84.5 125.278,84.5 125.178,84.4 125.178,84.2 125.278,84.1 125.5,84.1 126.702,84.1 126.802,84 126.802,83.8 126.702,83.7 125.5,83.7 125.278,83.7 125.178,83.6 125.178,83.4 125.278,83.3 125.4,83.3 125.5,83.2 125.5,81.125 125.5,72.95 123.17,70.62 123.17,69.291 123.12,69.241 123.12,69.215 122.755,68.85 122.755,68.533 v1(122.75,68.528)
  12_int11_(sign) w0.15: v1(122.73,55.848) 122.247,56.331 122.247,57.243 122.331,57.327 122.331,57.679 122.247,57.763 122.247,57.9 122.247,57.963 122.135,58.075 121.807,58.075 121.695,58.188 121.695,58.413 121.807,58.525 122.247,58.525 122.693,58.525 122.805,58.638 122.805,58.863 122.693,58.975 122.36,58.975 122.247,59.088 122.247,59.2 122.247,60.048 122.364,60.165 122.364,60.815 122.275,60.904 122.275,62.722 122,62.997 122.003,63 121.68,63.323 121.68,67.206 121.695,67.221 121.695,67.409 122.75,68.464 v1(122.75,68.528)
  16_Bottom w0.25: AB13-R71.2@121.87,54.175 121.925,54.23 121.925,55.025 122.73,55.83 v1(122.73,55.848)
DDR4_INT.ADDR.A7: AB8-D6.A20 AB13-D9.R8 AB13-D10.R8 AB13-R72.2 | length 90.6
  1_Top w0.25: AB8-D6.A20@82.194,95.939 82.194,96.394 v1(82.3,96.5) ; AB13-D9.R8@123.2,61 v1(123.6,61.4) ; AB13-D10.R8@123.2,73.7 v1(123.6,73.3)
  5_int4_(sign) w0.15: v1(82.3,96.5) 82.3,97.5 84.79,99.99 119.835,99.99 121,98.825 121.135,98.69 121.148,98.69 121.289,98.69 121.43,98.548 121.43,98.407 121.424,98.401 121.116,98.093 121.116,97.951 121.258,97.81 121.399,97.81 121.677,98.088 121.737,98.088 123.615,96.21 123.615,91.625 123.49,91.5 123.49,91.3 123.49,90.98 123.41,90.9 123.31,90.8 123.31,90.6 123.41,90.5 123.49,90.5 123.515,90.5 123.615,90.4 123.615,90.2 123.515,90.1 123.49,90.1 123.41,90.1 123.31,90 123.31,89.8 123.41,89.7 123.49,89.7 123.515,89.7 123.615,89.6 123.615,89.4 123.515,89.3 123.49,89.3 123.41,89.3 123.31,89.2 123.31,89 123.41,88.9 123.49,88.9 123.515,88.9 123.615,88.8 123.615,88.6 123.515,88.5 123.49,88.5 123.41,88.5 123.31,88.4 123.31,88.2 123.41,88.1 123.49,88.1 123.515,88.1 123.615,88 123.615,87.8 123.515,87.7 123.49,87.7 123.41,87.7 123.31,87.6 123.31,87.4 123.41,87.3 123.49,87.3 123.49,75.425 123.275,75.21 123.275,73.804 v1@123.639,73.439 ; v1(123.6,61.4) 123.6,61.699 123.925,62.024 123.925,62.125 124.2,62.4 124.2,65.1 124.3,65.2 124.68,65.2 124.78,65.3 124.78,65.5 124.68,65.6 124.2,65.6 123.695,65.6 123.595,65.7 123.595,65.9 123.695,66 124.2,66 124.68,66 124.78,66.1 124.78,66.3 124.68,66.4 124.2,66.4 123.793,66.4 123.693,66.5 123.693,66.7 123.793,66.8 124.2,66.8 124.68,66.8 124.78,66.9 124.78,67.1 124.68,67.2 124.3,67.2 124.2,67.3 124.2,67.4 124.2,69.203 124.179,69.224 124.179,72.292 124.175,72.296 124.175,72.725 v1(123.6,73.3)
  16_Bottom w0.25: v1(123.6,61.4) 123.7,61.3 AB13-R72.2@124.325,61.3